# Altium PCB PCB1.PcbDoc
Units mil, origin at the board's own origin, x right, y up, seen from the top; angles counter-clockwise.
Board outline 3790 x 2965 mil, 2 copper layers (Top Layer, Bottom Layer); 18 components, 34 nets, 150 pads, 14 vias.
Unrouted connection lines stored in the file: 1.
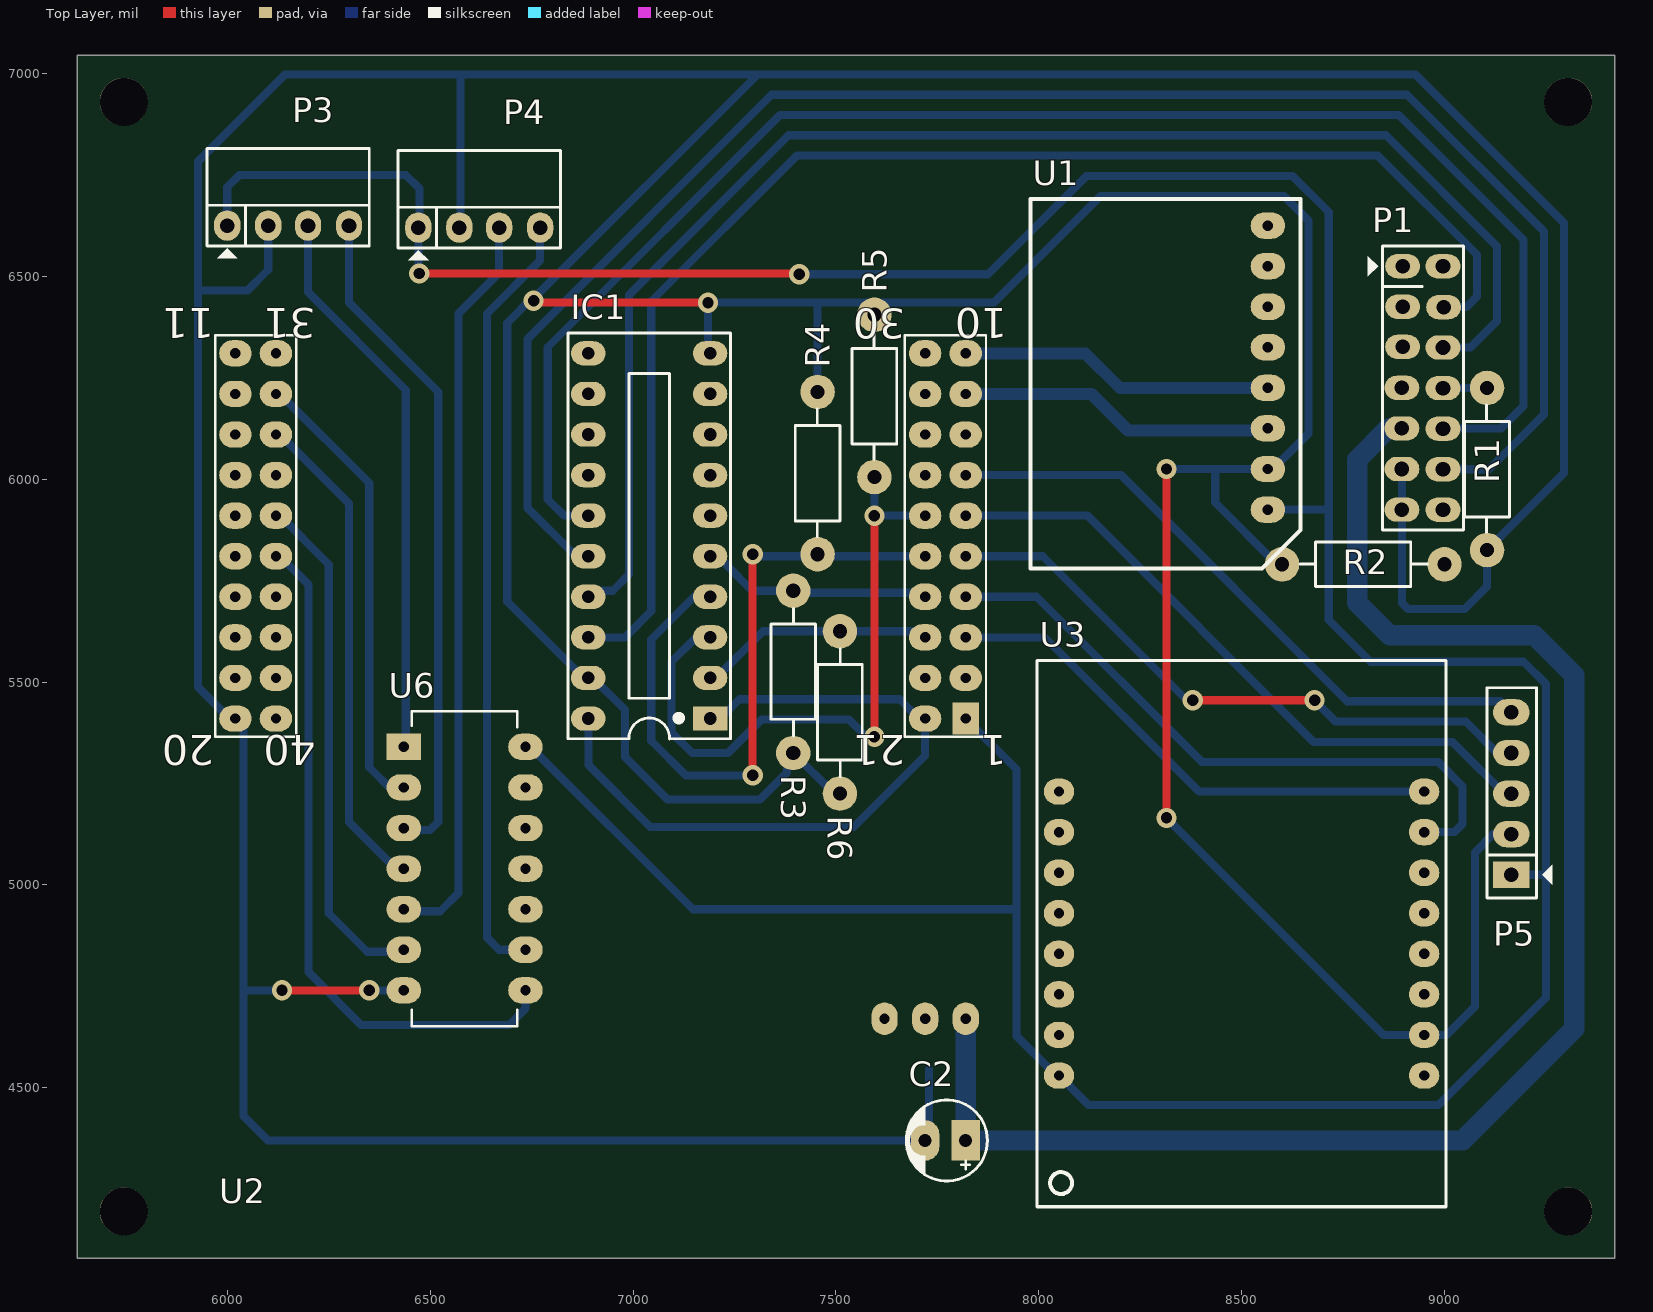
[diagram p0: Top Layer view]
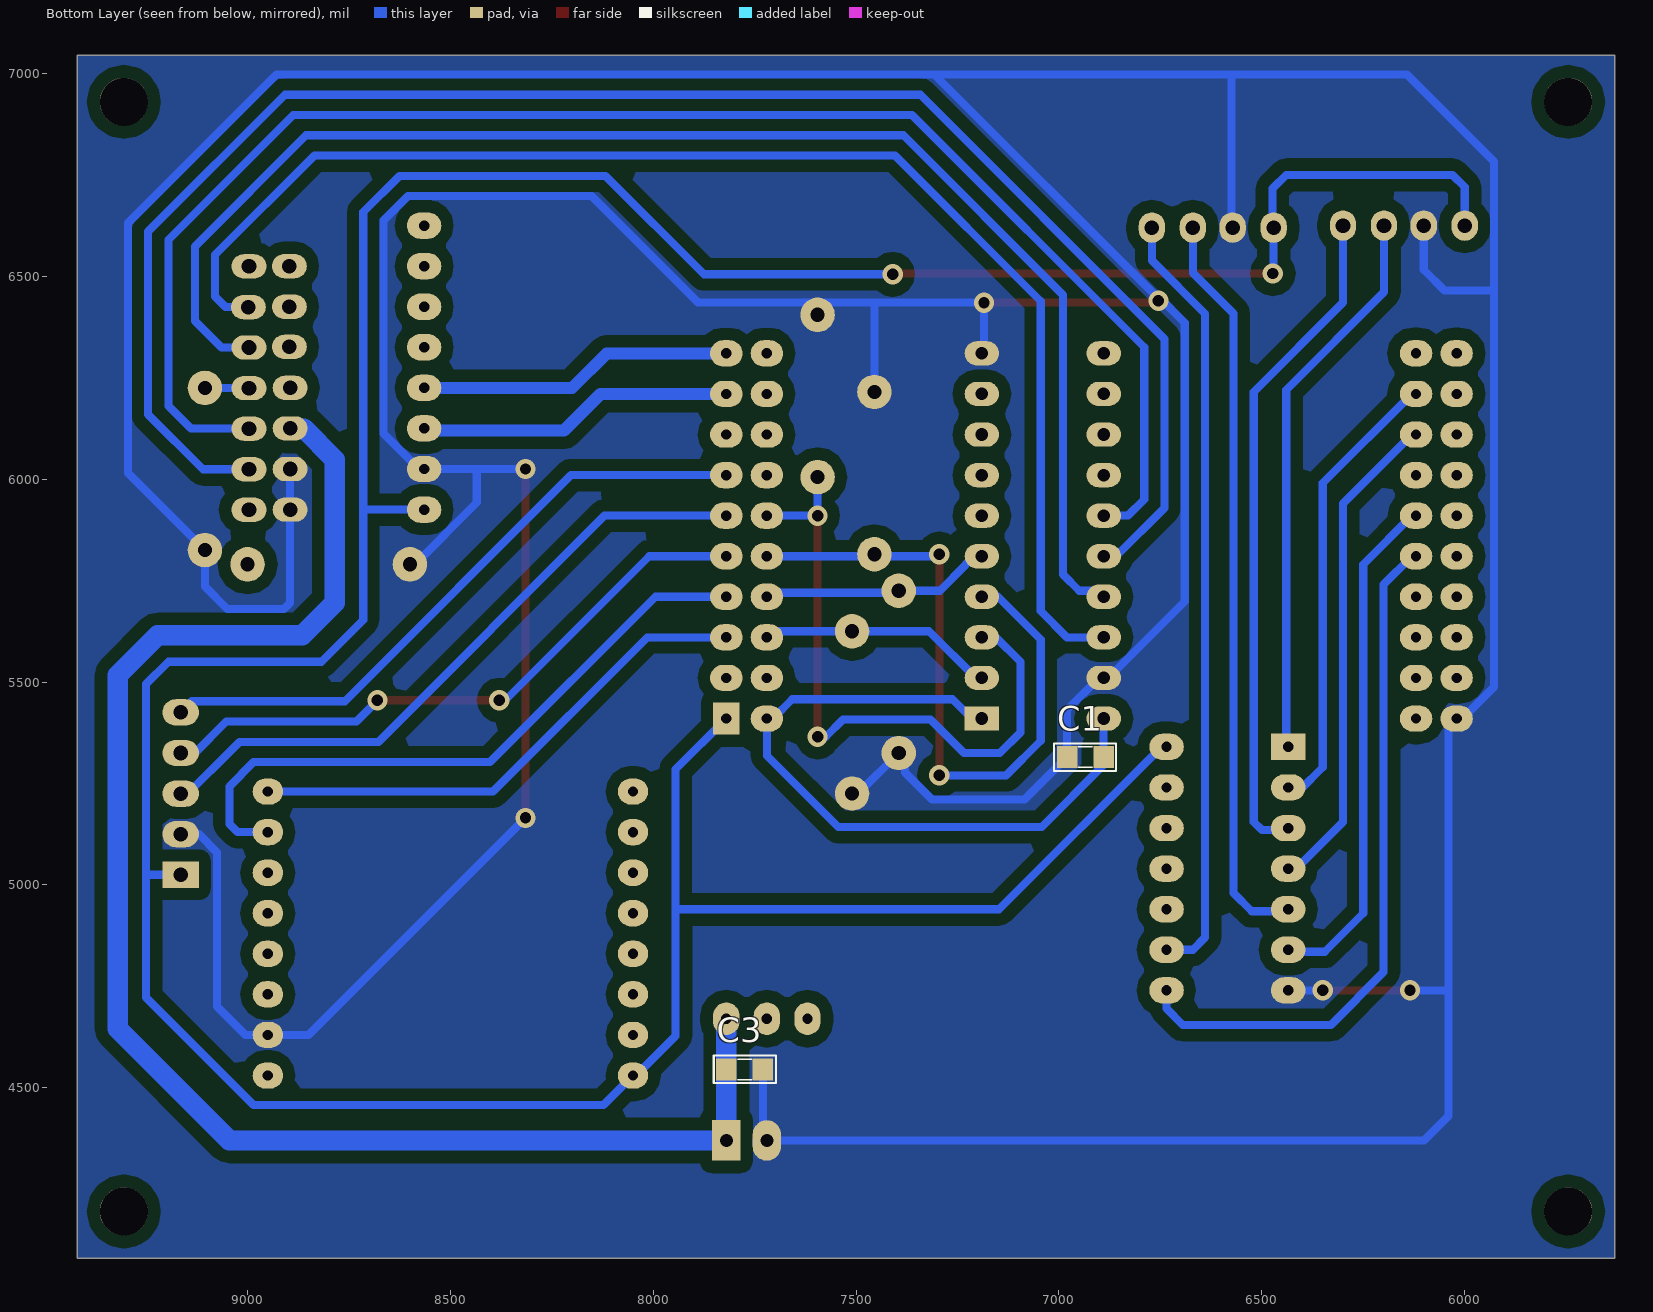
[diagram p1: Bottom Layer view, seen from below]

## Layer stack, top to bottom
Top Solder: solder mask 0.4, Solder Resist, Dk 3.5
Top Layer: signal copper 1.4
Dielectric 1: dielectric 12.6, FR-4, Dk 4.8
Bottom Layer: signal copper 1.4
Bottom Solder: solder mask 0.4, Solder Resist, Dk 3.5

## Board outline
5630,4080 9420,4080 9420,7045 5630,7045

## Design rules (kind name [scope] priority, off if disabled: settings)
Clearance [All] p1: gap=10 ignorepadtopadclearanceinfootprint=FALSE except(0: Arc-Hole Track-Hole SMDPad-Hole THPad-Hole Via-Hole Fill-Hole Poly-Hole Region-Hole Text-Hole; 20: Arc-Arc Arc-Via Arc-Fill Arc-Region Arc-Text Track-Via Track-Fill Track-Region Via-Via Poly-Region Poly-Text; 30: Arc-Poly Track-Track Track-SMDPad Track-THPad Track-Poly SMDPad-Poly THPad-Poly Via-Poly Fill-Poly Poly-Poly)
Height [All] p1: minheight=0 maxheight=1968.5 prefheight=492.13
PlaneConnect [All] p1: planeconnectstyle=Direct reliefexpansion=20 reliefentries=4 reliefconductorwidth=10 reliefairgap=10
PolygonConnect [All] p1: connectstyle=Direct reliefconductorwidth=10 reliefentries=4 polygonreliefangle="90 Angle" airgapwidth=10
RoutingVias [All] p1: holewidth=28 width=50 viastyle="Through Hole" minholewidth=28 minwidth=50 maxholewidth=28 maxwidth=50
SolderMaskExpansion [All] p1: expansion=4
Width [All] p1: maxlimit=50 minlimit=20 preferedwidth=30
28 further rules are at their usual default settings.

## Components (designator, comment, footprint, x,y, rotation, side; value= is the part's Value field where it differs from the comment)
C1 "Cap Non-Pol SMD" CAP-SM-0805 6980,5315 r180 bottom value=10nF
C2 "Cap Pol" CP1/2 7820,4370 r180 top value=470uF
C3 "Cap Non-Pol SMD" CAP-SM-0805 7730,4545 r0 bottom value=100pF
IC1 "74245" DIP20 7190,5410 r90 top
P1 "Header 7X2" JP7X2 8896.5,6524.5 r270 top
P3 "Header 4H" JP4H 6000,6625 r0 top
P4 "Header 4H" JP4H 6471,6620 r0 top
P5 "Header 5" JP5 9165,5025 r90 top
R1 "RESISTOR" "RES 1/2W" 9105,6225 r270 top value=1K
R2 "RESISTOR" "RES 1/2W" 9000,5790 r180 top value=1K
R3 "RESISTOR" "RES 1/2W" 7395,5325 r90 top value=10K
R4 "RESISTOR" "RES 1/2W" 7455,6215 r270 top value=10K
R5 "RESISTOR" "RES 1/2W" 7595,6405 r270 top value=10K
R6 "RESISTOR" "RES 1/2W" 7510,5225 r90 top value=10K
U1 "MPU6050_GY521" MPU6050_GY521 7205,5840 r180 top
U2 "TM4C123GXL" EK-TM4C123GXL 6930,5880 r180 top
U3 "D1_Mini" D1_Mini 8520,4865 r0 top
U6 "74HC14N" 74HC14N 6155,4600 r0 top

## Footprints (in the part's own frame and the unit in brackets; to place one, negate y for a bottom-side part, rotate by r counter-clockwise, add the part's x,y. Pads: shape width x height; smd on the part's side, far side on the other; paste and mask are expansions set on the pad)
74HC14N [mil]
  rect 85x65 hole 25.6: 1(280,740)
  oval 85x65 hole 25.6: 2(280,640) 3(280,540) 4(280,440) 5(280,340) 6(280,240) 7(280,140) 8(580,140) 9(580,240) 10(580,340) 11(580,440) 12(580,540) 13(580,640) 14(580,740)
  silkscreen extent 300,52 560,828, body extent 283,70 597,820, height 178
CAP-SM-0805 [mil]
  rect 50x55 smd: 1(0,0) 2(90,0)
  silkscreen extent -32,-34 121,33, body extent 6,-25 84,25, height 31
CP1/2 [mil] "Tu hoa < 22uF/16>50V"
  rect 70x100 hole 32: 1(0,0)
  oval 70x100 hole 32: 2(100,0)
  silkscreen extent -53,-100 147,100, body extent -49,-99 149,99, height 287
D1_Mini [mil]
  oval 75x65 hole 25.59: 1(-470,365) 2(-470,265) 3(-470,165) 4(-470,65) 5(-470,-35) 6(-470,-135) 7(-470,-235) 8(-470,-335) 9(430,-335) 10(430,-235) 11(430,-135) 12(430,-35) 13(430,65) 14(430,165) 15(430,265) 16(430,365)
  silkscreen extent -524,-658 484,688, body extent -525,-659 487,689, height 676
DIP20 [mil] "DIP 20, 20 PIN, W 300mil, Pin to pin 100mil"
  rect 60x85 hole 31: 1(0,0)
  oval 60x85 hole 31: 2(100,0) 3(200,0) 4(300,0) 5(400,0) 6(500,0) 7(600,0) 8(700,0) 9(800,0) 10(900,0) 11(900,300) 12(800,300) 13(700,300) 14(600,300) 15(500,300) 16(400,300) 17(300,300) 18(200,300) 19(100,300) 20(0,300)
  silkscreen extent -50,-50 950,350, body extent -54,2 954,308, height 177
EK-TM4C123GXL [mil]
  rect 65x80 hole 25.6: 1(-890,470)
  oval 80x65 hole 25.6: 2(-890,370) 3(-890,270) 4(-890,170) 5(-890,70) 6(-890,-30) 7(-890,-130) 8(-890,-230) 9(-890,-330) 10(-890,-430) 11(910,-430) 12(910,-330) 13(910,-230) 14(910,-130) 15(910,-30) 16(910,70) 17(910,170) 18(910,270) 19(910,370) 20(910,470) 21(-790,470) 22(-790,370) 23(-790,270) 24(-790,170) 25(-790,70) 26(-790,-30) 27(-790,-130) 28(-790,-230) 29(-790,-330) 30(-790,-430) 31(810,-430) 32(810,-330) 33(810,-230) 34(810,-130) 35(810,-30) 36(810,70) 37(810,170) 38(810,270) 39(810,370) 40(810,470)
  oval 65x80 hole 25.6: 41(-890,1210) 42(-790,1210) 43(-690,1210)
  silkscreen extent -940,-475 960,515, body extent -990,-930 1010,1710, height 804
JP4H [mil]
  oval 65x75 hole 36: 1(0,0) 2(101,0) 3(199,0) 4(300,0)
  silkscreen extent -50,-81 350,190, body extent -46,-15 346,424, height 99
JP5 [mil] "JP5"
  rect 65x90 hole 36: 1(0,0)
  oval 65x90 hole 36: 2(100,0) 3(200,0) 4(300,0) 5(400,0)
  silkscreen extent -57,-101 461,60, body extent -48,-53 448,45, height 323
JP7X2 [mil]
  oval 60x86 hole 36: 1(-0.5,0.5) 2(99.5,0.5) 3(198.5,0.5) 4(299.5,-1.5) 5(399.5,-1.5) 6(499.5,-1.5) 7(599.5,-1.5) 8(0,100) 9(100.5,101.5) 10(200,100) 11(300,100) 12(400,100) 13(500,100) 14(600,100)
  silkscreen extent -51,-85 650,151, body extent -50,-50 650,150, height 335
MPU6050_GY521 [mil]
  oval 85x65 hole 25.6: 0(-1360,-85) 1(-1360,-185) 2(-1360,-285) 3(-1360,-385) 4(-1360,-485) 5(-1360,-585) 6(-1360,-685) 7(-1360,-785)
  silkscreen extent -1440,-850 -775,60, body extent -1412,-846 -785,-15, height 584
"RES 1/2W" [mil] "R 1/2W, 2 pin, 300mil"
  round 85 hole 35: 1(0,0) 2(400,0)
  silkscreen extent 42,-55 356,55, body extent -12,-45 414,49, height 91

## Part data
C1 C3: "Capacitor"
C2: "Polarized Capacitor (Radial)"
IC1: library part 74245_1, "Octal bus tranceiver; 3-state", Copyright by=VanDungEvn@gmail.com
P1: "Header, 7-Pin, Dual row", LatestRevisionDate=17-Jul-2002, LatestRevisionNote="Re-released for DXP Platform.", Publisher="Altium Limited"
P3 P4: "Header, 4-Pin, Right Angle", LatestRevisionDate=17-Jul-2002, LatestRevisionNote="Re-released for DXP Platform.", Publisher="Altium Limited"
P5: "Header, 5-Pin", LatestRevisionDate=17-Jul-2002, LatestRevisionNote="Re-released for DXP Platform.", Publisher="Altium Limited"
R1 R2 R3 R4 R5 R6: "Resistor"
U2: library part EK-TM4C123GXL

## Free pads (board coordinates)
  round 118.11 hole 118.11: 2(9305,6930) 3(5745,4195) 4(9305,4195) 5(5745,6930)

## Via types
v1: diameter 50, hole 28, Top Layer to Bottom Layer, 14 vias

## Nets (pads, with @x,y where several pads share a name; then routed paths per layer and width w, separated by ;. In a path a pad name is that pad's centre, name@x,y a point inside that pad or via, vN(x,y) a via of type N, cw(c..) or ccw(c..) an arc to the next point about the centre after c; other vN are vias at no path point)
3V3: P3.1 P4.1 P5.1 U1.0 U2.1 U3.8 U6.14 | length 9539.7
  Top Layer w20: v1(6473,6507) 7408,6507 v1(7410,6505)
  Bottom Layer w20: P3.1@5986,6605 6000,6619 P3.1 6000,6720 6030,6750 6440,6750 6474,6716 P4.1@6474,6600 ; P4.1 6471,6509 v1(6473,6507) ; U6.14 6747.53,5340 7147.53,4940 7945,4940 ; v1(7410,6505) 7875,6505 8117.5,6747.5 8625.74,6747.5 8715,6658.24 8715,5925 ; U2.1 7945,5285 7945,4940 ; U1.0 8715,5925 ; P5.1 9250,5025 ; 7945,4940 7945,4627.47 8042.47,4530 U3.8 8122.5,4457.5 8985.03,4457.5 9250,4722.47 9250,5025 ; 8715,5925 8715,5653.08 8818.08,5550 9195,5550 9250,5495 9250,5025
5V: C1.2 IC1.1 IC1.20 U2.21 | length 1742
  Bottom Layer w20: IC1.20 C1.2 6890,5295 7042.5,5142.5 7544.17,5142.5 7720,5318.33 U2.21 7705,5410 7657.5,5457.5 7262.5,5457.5 7215,5410 IC1.1
5VS: C2.1 C3.2 P1.5 U2.41 | length 3889.6
  Bottom Layer w50: U2.41 C3.2 C2.1 9045,4370 9320,4645 9320,5516.92 9221.92,5615 8865,5615 8785,5695 8785,6048.21 8861.79,6125 P1.5
CC_RXD: P5.3 U2.6 | length 1673.7
  Bottom Layer w20: U2.6 8120,5910 8677.5,5352.5 9019.88,5352.5 9165,5207.38 P5.3 P5.3@9185,5225
CC_SET: P5.5 U2.7 | length 1587.3
  Bottom Layer w20: U2.7 8202.78,6010 8760.28,5452.5 9137.5,5452.5 P5.5
CC_TXD: P5.4 U2.5 | length 1546.3
  Top Layer w20: v1(8380,5455) v1(8680,5455)
  Bottom Layer w20: U2.5 8010,5810 8365,5455 v1(8380,5455) ; v1(8680,5455) 8680,5454.29 8731.79,5402.5 9052.5,5402.5 9130,5325 P5.4
ENC0A: P3.3 U6.1 | length 1399
  Bottom Layer w20: P3.3 6199,6461 6440,6220 6440,5340 U6.1@6430,5330
ENC0Y: U2.32 U6.2 | length 1129
  Bottom Layer w20: U2.32 6130.03,6210 6350,5990.03 6350,5289.9 6404.9,5235 U6.2@6435,5235
ENC1A: P3.4 U6.3 | length 1614.4
  Bottom Layer w20: P3.4 6300,6435 6520,6215 6520,5155 6500,5135 U6.3@6475,5135
ENC1Y: U2.33 U6.4 | length 1205.1
  Bottom Layer w20: U2.33 6130.03,6110 6300,5940.03 6300,5155 U6.4@6420,5035
ENC2A: P4.3 U6.5 | length 1795.1
  Bottom Layer w20: U6.5@6475,4935 6525,4935 6570,4980 6570,6408.49 6670,6508.49 P4.3
ENC2Y: U2.35 U6.6 | length 1264.1
  Bottom Layer w20: U2.35 6130.03,5910 6250,5790.03 6250,4930 6345,4835 U6.6@6435,4835
ENC3A: P4.4 U6.9 | length 1911.7
  Bottom Layer w20: U6.9 6670,4840 6640,4870 6640,6407.78 6771,6538.78 P4.4
ENC3Y: U2.36 U6.8 | length 1714.4
  Bottom Layer w20: U2.36 6130.03,5810 6200,5740.03 6200,4785 6330,4655 6695,4655 6735,4695 U6.8
ESPRX: U2.4 U3.15 | length 1614.4
  Bottom Layer w20: U2.4 7995,5710 8402.5,5302.5 8985.03,5302.5 9045,5242.53 9045,5150 9025,5130 U3.15
ESPTX: U2.3 U3.16 | length 1287.4
  Bottom Layer w20: U2.3 8015,5610 8395,5230 U3.16
FALT: P1.8
GND: C1.1 C2.2 C3.1 IC1.10 IC1.19 P1.6 P1.7 P3.2 P4.2 P5.2 R1.2 R2.2 R3.1 R4.1 R5.1 R6.1 U1.1 U2.20 U3.10 U6.7 | length 19379.1
  Top Layer w20: v1(6135,4740) v1(6350,4740) ; v1(6755,6440) 6760,6435 v1(7185,6435) ; v1(8315,5165) v1(8315,6025)
  Bottom Layer w20: P3.2 6101,6516 6050,6465 5927.5,6465 ; v1(6135,4740) 6040,4740 ; v1(6350,4740) U6.7 ; P4.2@6575,6600 6575,6992.5 6580,6997.5 ; v1(6755,6440) v1@6755,6445 ; IC1.10 7185,6315 v1(7185,6435) 7455,6435 ; R4.1 7455,6435 ; R6.1 7495,5225 R3.1 7380,5310 7380,5277.22 7312.78,5210 7085,5210 C1.1 6980,5431.49 6901.49,5510 IC1.19 6883.25,5516.75 6871.75,5516.75 6690,5698.51 6690,6385 6755,6450 v1@6755,6445 ; R5.1 R5.1@7595,6435 ; C3.1 7730,4380 C2.2 ; v1(8315,5165) 8850,4630 U3.10 9005,4630 9075,4700 9075,5080 9120,5125 P5.2 ; v1(8315,6025) 8435,6025 ; R2.2 8587.47,5790 8435,5942.47 8435,6025 ; P1.6 P1.7 8895,5695 8910,5680 9050,5680 9105,5735 R1.2 9295,6015 9295,6631.42 8928.92,6997.5 7307.5,6997.5 ; 5927.5,6465 5927.5,5487.5 6005,5410 U2.20 6040,5390 6040,4740 ; 5927.5,6465 5927.5,6782.5 6142.5,6997.5 6580,6997.5 ; 6040,4740 6040,4430 6100,4370 C2.2 ; 6580,6997.5 7307.5,6997.5 ; v1@6755,6445 7307.5,6997.5 ; 7455,6435 R5.1@7595,6435 ; R5.1@7595,6435 7890,6435 8152.5,6697.5 8605.03,6697.5 8665,6637.53 8665,6112.47 8577.53,6025 U1.1 8435,6025 ; C2.2 7730,4360 7745,4360 7745,4370 C2.2
GY521SCL: U1.2 U2.9 | length 772.3
  Bottom Layer w30: U2.9@7830,6210 8130.15,6210 8220.15,6120 U1.2@8565,6120
GY521SDA: U1.3 U2.10 | length 777.3
  Bottom Layer w30: U2.10@7830,6310 8115,6310 8200,6225 U1.3 U1.3@8570,6220
M1: P1.4
M2: P1.3
M3: P1.2
OTW: P1.1
PWMA: IC1.18 P1.9 | length 3426.2
  Bottom Layer w20: IC1.18 6980,5610 7045,5675 7045,6438.58 7403.92,6797.5 8835.49,6797.5 9080,6552.99 9080,6450 9054,6424 P1.9
PWMA_A: IC1.2 R6.2 U2.23 | length 593.8
  Bottom Layer w20: IC1.2 7205,5510 7320,5625 R6.2 7715,5625 U2.23@7730,5610
PWMB: P1.11 R1.1 | length 108.7
  Bottom Layer w20: P1.11 9104.5,6224.5 R1.1
PWMC: IC1.15 P1.12 | length 3892.6
  Bottom Layer w20: IC1.15 6830,5910 6790,5950 6790,6325 7362.5,6897.5 8887.5,6897.5 9195,6590 9195,6180 9139.5,6124.5 P1.12
PWMC_A: IC1.5 R3.2 U2.24 | length 588.8
  Bottom Layer w20: IC1.5 7210,5810 7230,5790 7230,5788.08 7293.08,5725 R3.2 ; R3.2@7395,5740 7415,5720 7710,5720 U2.24 U2.24@7730,5710
PWMD: P1.14 R2.1
RSTAB: IC1.17 P1.10 | length 3572.7
  Bottom Layer w20: IC1.17 6905,5725 6950,5725 6990,5765 6990,6454.29 7383.21,6847.5 8856.21,6847.5 9130,6573.71 9130,6390 9064.5,6324.5 P1.10
RSTAB_A: IC1.3 R5.2 U2.26 | length 1653
  Top Layer w20: v1(7595,5365) 7600,5370 7595,5375 v1(7595,5910)
  Bottom Layer w20: IC1.3 7155,5610 7095,5550 7095,5375.93 7145.93,5325 7234.07,5325 7260,5350.93 ; 7272.03,5362.97 7260,5350.93 ; v1(7595,5365) 7575,5365 7532.5,5407.5 7316.57,5407.5 7260,5350.93 ; R5.2 v1(7595,5910) U2.26
RSTCD: IC1.16 P1.13 | length 4265.4
  Bottom Layer w20: IC1.16 6859.29,5810 6740,5929.29 6740,6345.71 7341.79,6947.5 8908.21,6947.5 9245,6610.71 9245,6159.29 9110.21,6024.5 P1.13
RSTCD_A: IC1.4 R4.2 U2.25 | length 1695.2
  Top Layer w20: v1(7295,5270) v1(7295,5815)
  Bottom Layer w20: IC1.4 7150.71,5710 7045,5604.29 7045,5355.22 7130.22,5270 v1(7295,5270) ; v1(7295,5815) 7300,5810 U2.25
pads on no net: IC1.6 IC1.7 IC1.8 IC1.9 IC1.11 IC1.12 IC1.13 IC1.14 U1.4 U1.5 U1.6 U1.7 U2.2 U2.8 U2.11 U2.12 U2.13 U2.14 U2.15 U2.16 U2.17 U2.18 U2.19 U2.22 U2.27 U2.28 U2.29 U2.30 U2.31 U2.34 U2.37 U2.38 U2.39 U2.40 U2.42 U2.43 U3.1 U3.2 U3.3 U3.4 U3.5 U3.6 U3.7 U3.9 U3.11 U3.12 U3.13 U3.14 U6.10 U6.11 U6.12 U6.13

## Polygon pours and split planes (outlines as drawn)
GND on Bottom Layer "Mechanical 1-No Net" (solid, pour order 4): 5630,7045 5630,4080 9420,4080 9420,7045

## Text inside footprints (layer, text, board x,y; h text height)
U2: Top Overlay "40" at 6218.62,5368.76 h73.82 r180; Top Overlay "31" at 6218.6,6420.84 h73.82 r180; Top Overlay "30" at 7671.08,6420.56 h73.82 r180; Top Overlay "21" at 7671.08,5369.05 h73.82 r180; Top Overlay "20" at 5967.89,5368.62 h73.82 r180; Top Overlay "11" at 5967.78,6421.01 h73.82 r180; Top Overlay "10" at 7922.62,6421.15 h73.82 r180; Top Overlay "1" at 7921.79,5368.86 h73.82 r180